# Altium PCB LightLink_V2_NOT_USED.PcbDoc (part 1 of 3) (continued)
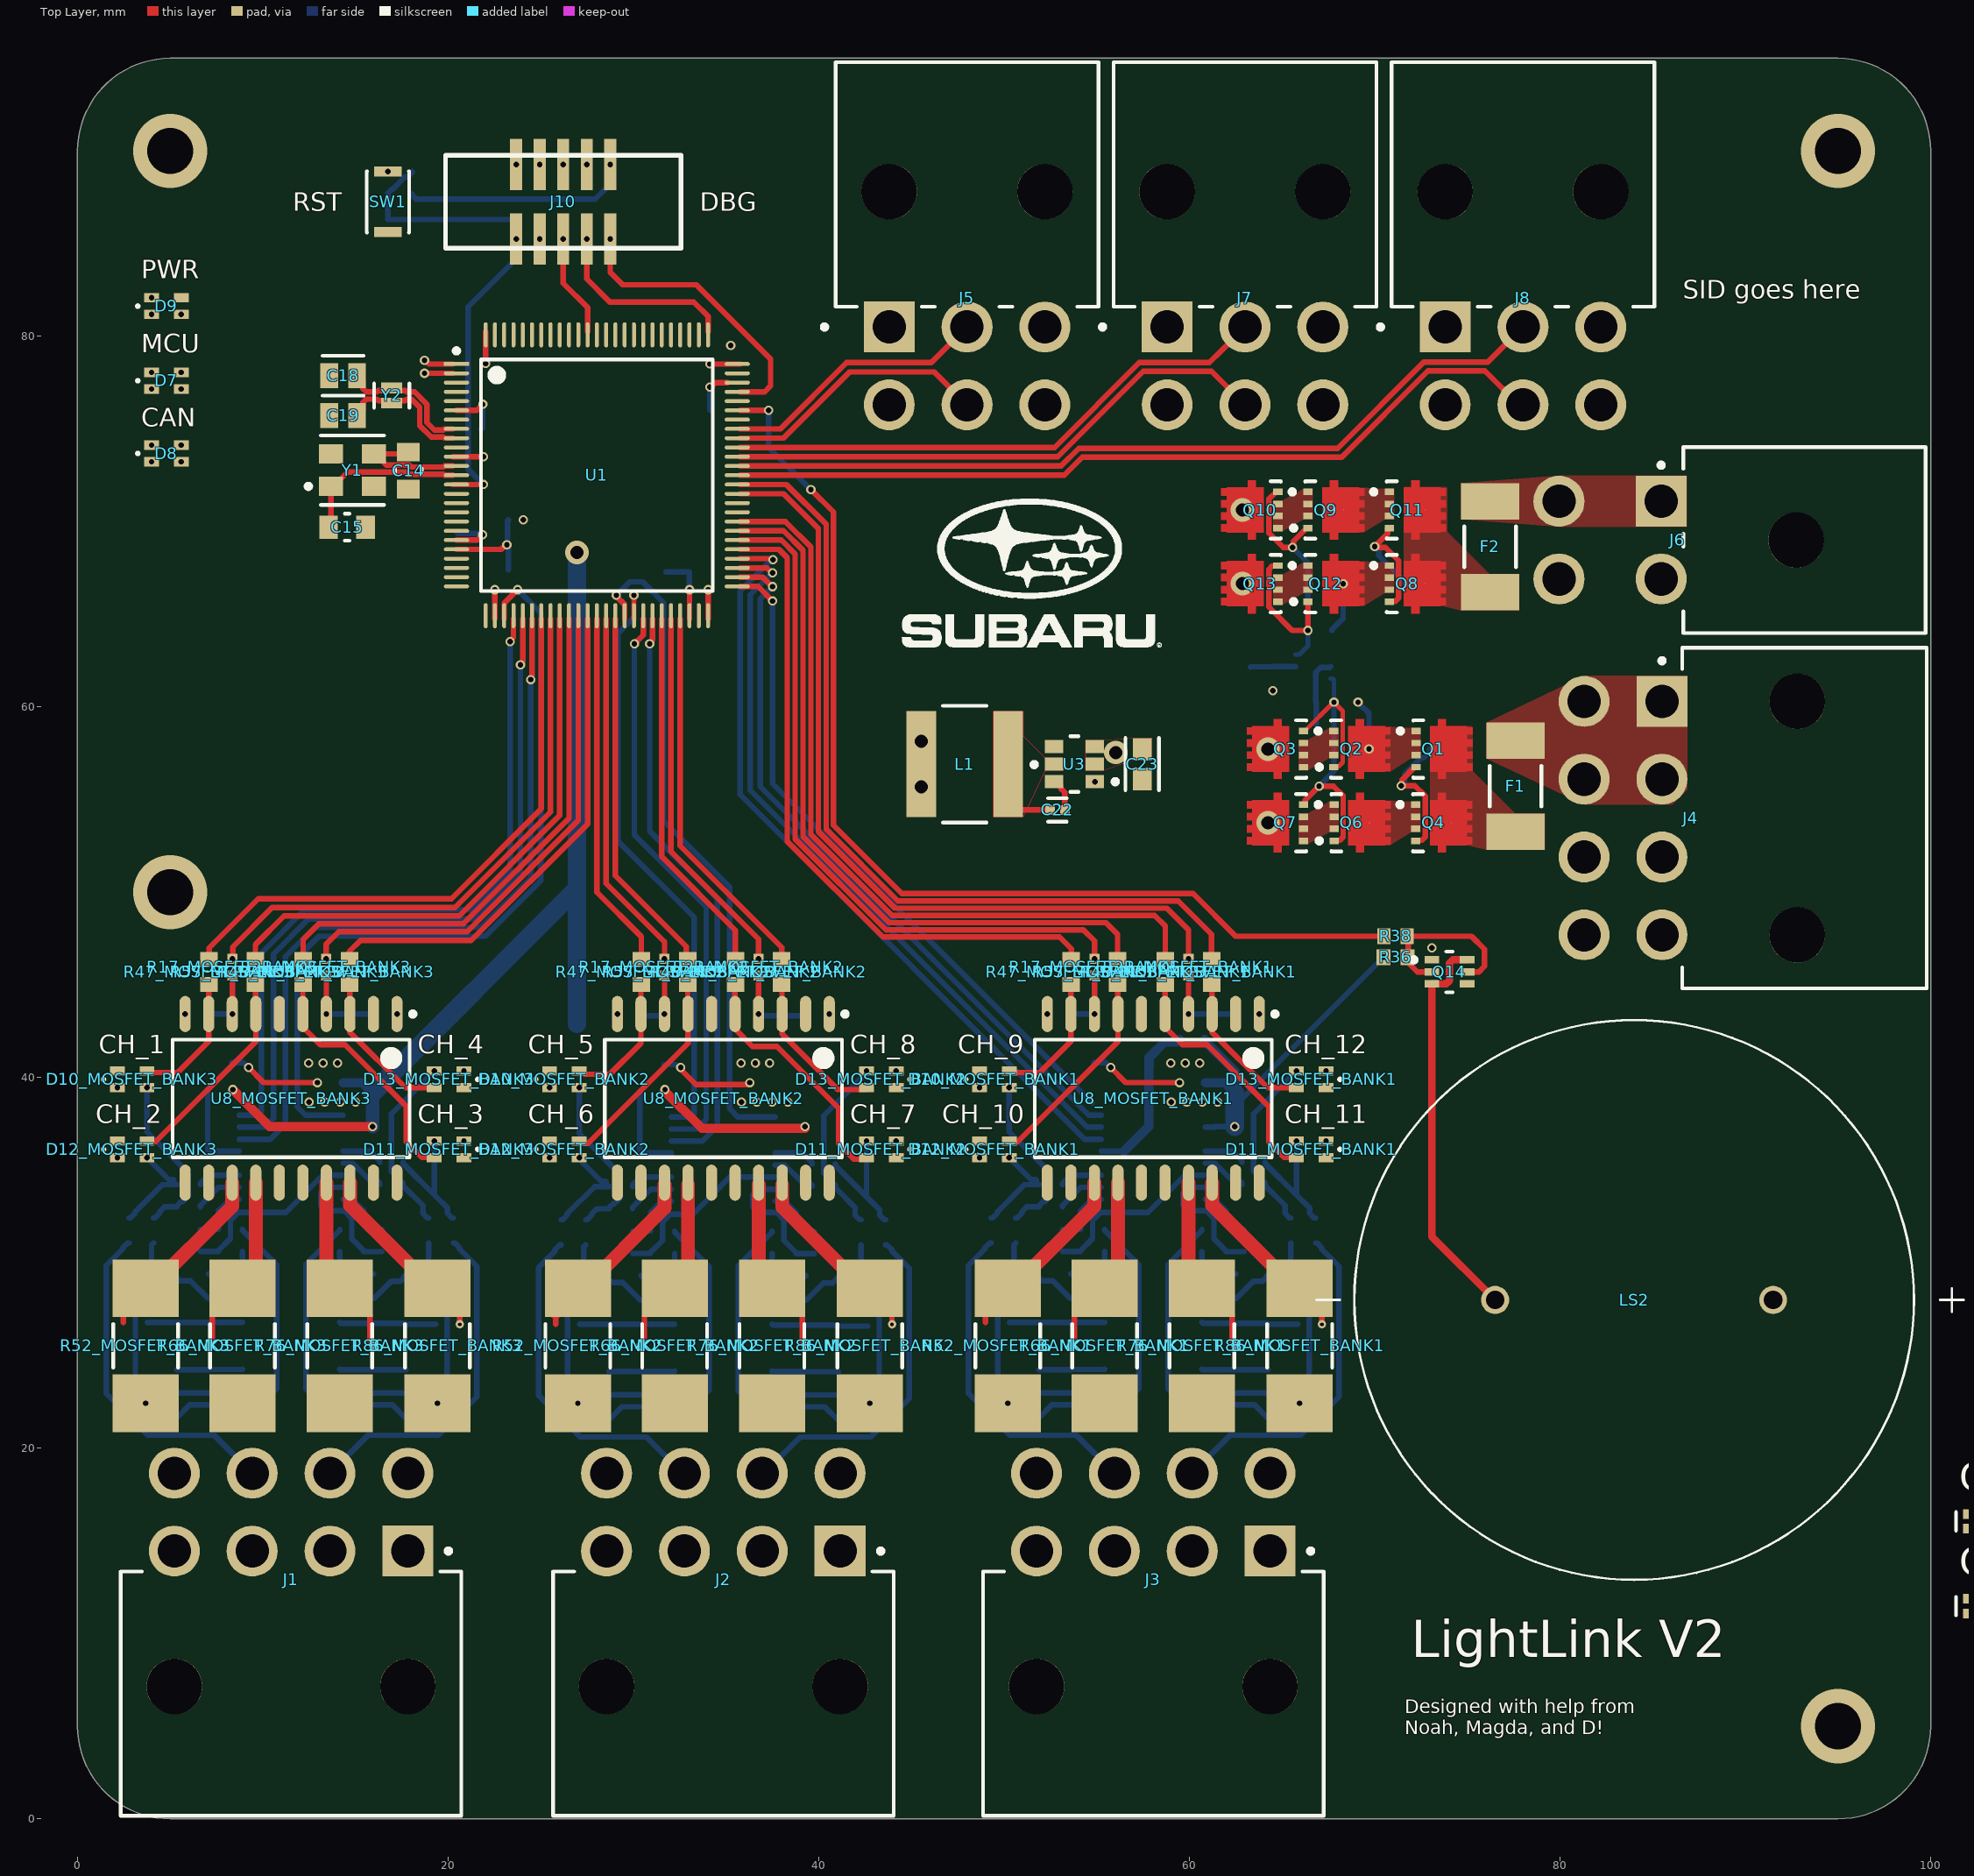
[diagram p0: Top Layer view]
## Components (designator, comment, footprint, x,y, rotation, side; value= is the part's Value field where it differs from the comment) (continued)
R18_MOSFET_BANK3 "0603 JUMPER" RESC1609X55X30ML15T15 8.35,45.55 r90 bottom (schematic designator R18)
R19 "ERJ-3EKF3300V" RESC1608X55X30LL15T15#2 113.146,149.625 r90 bottom
R20 "ERJ3EKF1002V" RESC1609X55X30LL15T15 113.796,154.226 r0 bottom
R21_MOSFET_BANK1 "0402 JUMPER 0 OHM" RESC1005X40X25NL05T05 59.95,45.95 r90 top (schematic designator R21)
R21_MOSFET_BANK2 "0402 JUMPER 0 OHM" RESC1005X40X25NL05T05 36.75,45.95 r90 top (schematic designator R21)
R21_MOSFET_BANK3 "0402 JUMPER 0 OHM" RESC1005X40X25NL05T05 13.425,45.95 r90 top (schematic designator R21)
R22_MOSFET_BANK1 "0603 JUMPER" RESC1609X55X30ML15T15 59.95,45.55 r90 bottom (schematic designator R22)
R22_MOSFET_BANK2 "0603 JUMPER" RESC1609X55X30ML15T15 36.75,45.55 r90 bottom (schematic designator R22)
R22_MOSFET_BANK3 "0603 JUMPER" RESC1609X55X30ML15T15 13.425,45.55 r90 bottom (schematic designator R22)
R23_MOSFET_BANK1 "ERJ3EKF56R0V" RESC1608X55X30NL15T15 60.15,42.05 r180 bottom (schematic designator R23)
R23_MOSFET_BANK2 "ERJ3EKF56R0V" RESC1608X55X30NL15T15 31.025,39.35 r180 bottom (schematic designator R23)
R23_MOSFET_BANK3 "ERJ3EKF56R0V" RESC1608X55X30NL15T15 7.7,39.35 r180 bottom (schematic designator R23)
R24 "0402 JUMPER 0 OHM" RESC1005X40X25NL05T05 120.111,151.826 r0 bottom
R25 "0402 JUMPER 0 OHM" RESC1005X40X25NL05T05 119.496,153.601 r90 bottom
R26 "0402 JUMPER 0 OHM" RESC1005X40X25NL05T05 115.686,149.625 r270 bottom
R27 "ERJ3EKF1002V" RESC1609X55X30LL15T15 13.75,101.325 r90 bottom
R28 "0402 JUMPER 0 OHM" RESC1005X40X25NL05T05 14.95,101.325 r90 bottom
R29 "ERJ3EKF1002V" RESC1609X55X30LL15T15 123.61,150.725 r0 bottom
R30 "ERJ-3EKF60R4V" FP-ERJ3EK-IPC_C 116.41,151.201 r90 bottom
R31 "ERJ-3EKF1001V" RESC1608X55X30LL15T15#1 114.821,153.977 r180 bottom
R32 "ERJ-3EKF60R4V" FP-ERJ3EK-IPC_C 111,152.25 r0 bottom
R33 "ERJ3EKF56R0V" RESC1608X55X30NL15T15 107.1,151.05 r180 bottom
R34 "ERJ3EKF56R0V" RESC1608X55X30NL15T15 108.7,152.1 r0 bottom
R35 "ERJ3EKF56R0V" RESC1608X55X30NL15T15 111,151.05 r180 bottom
R36 "ERJ3EKF1002V" RESC1609X55X30LL15T15 71.125,46.5 r180 top
R37 "ERJ3EKF1002V" RESC1609X55X30LL15T15 3.325,76.925 r180 bottom
R38 "ERJ-3EKF1001V" RESC1608X55X30LL15T15#1 71.125,47.625 r0 top
R39 "ERJ3EKF56R0V" RESC1608X55X30NL15T15 3.325,73 r180 bottom
R40 "ERJ3EKF56R0V" RESC1608X55X30NL15T15 3.325,78.25 r180 bottom
R41_MOSFET_BANK1 "ERT-J1VR103J" RESC1608X90X30ML15T20 60.175,39.725 r0 bottom (schematic designator R41)
R41_MOSFET_BANK2 "ERT-J1VR103J" RESC1608X90X30ML15T20 36.975,39.725 r0 bottom (schematic designator R41)
R41_MOSFET_BANK3 "ERT-J1VR103J" RESC1608X90X30ML15T20 13.65,39.725 r0 bottom (schematic designator R41)
R42 "ERJ-3EKF3300V" RESC1608X55X30LL15T15#2 17.4,88.88 r180 bottom
R43 "ERJ-3EKF1200V" RESC1609X55X30ML15T15 17.75,102.15 r270 top
R44 "ERJ-3EKF3300V" RESC1608X55X30LL15T15#2 3.35,81.025 r180 bottom
R45 "ERJ3EKF1002V" RESC1609X55X30LL15T15 17.4,87.675 r180 bottom
R46_MOSFET_BANK1 "ERJ-3EKF1001V" RESC1608X55X30LL15T15#1 54.225,40.8 r0 bottom (schematic designator R46)
R46_MOSFET_BANK2 "ERJ-3EKF1001V" RESC1608X55X30LL15T15#1 31.025,40.8 r0 bottom (schematic designator R46)
R46_MOSFET_BANK3 "ERJ-3EKF1001V" RESC1608X55X30LL15T15#1 7.7,40.8 r0 bottom (schematic designator R46)
R47_MOSFET_BANK1 "ERJ3EKF56R0V" RESC1608X55X30NL15T15 53.625,45.7 r90 top (schematic designator R47)
R47_MOSFET_BANK2 "ERJ3EKF56R0V" RESC1608X55X30NL15T15 30.425,45.7 r90 top (schematic designator R47)
R47_MOSFET_BANK3 "ERJ3EKF56R0V" RESC1608X55X30NL15T15 7.1,45.7 r90 top (schematic designator R47)
R48_MOSFET_BANK1 "ERJ3EKF56R0V" RESC1608X55X30NL15T15 58.7,45.7 r90 top (schematic designator R48)
R48_MOSFET_BANK2 "ERJ3EKF56R0V" RESC1608X55X30NL15T15 35.5,45.7 r90 top (schematic designator R48)
R48_MOSFET_BANK3 "ERJ3EKF56R0V" RESC1608X55X30NL15T15 12.175,45.7 r90 top (schematic designator R48)
R49_MOSFET_BANK1 "ERJ-3EKF1004V" FP-ERJ3EK-IPC_C 53.6,28.76 r270 bottom (schematic designator R49)
R49_MOSFET_BANK2 "ERJ-3EKF1004V" FP-ERJ3EK-IPC_C 30.4,28.76 r270 bottom (schematic designator R49)
R49_MOSFET_BANK3 "ERJ-3EKF1004V" FP-ERJ3EK-IPC_C 7.075,28.76 r270 bottom (schematic designator R49)
R50 "ERJ3EKF1002V" RESC1609X55X30LL15T15 125.207,11.202 r90 top
R51 "ERJ3EKF1002V" RESC1609X55X30LL15T15 113.607,11.202 r90 top
R52_MOSFET_BANK1 "MCS3264R010FER" FP-MCS3264-MFG 50.2,25.525 r270 top (schematic designator R52)
R52_MOSFET_BANK2 "MCS3264R010FER" FP-MCS3264-MFG 27,25.525 r270 top (schematic designator R52)
R52_MOSFET_BANK3 "MCS3264R010FER" FP-MCS3264-MFG 3.675,25.525 r270 top (schematic designator R52)
R53_MOSFET_BANK1 "ERJ3EKF1002V" RESC1609X55X30LL15T15 51.175,29.31 r180 bottom (schematic designator R53)
R53_MOSFET_BANK2 "ERJ3EKF1002V" RESC1609X55X30LL15T15 27.975,29.31 r180 bottom (schematic designator R53)
R53_MOSFET_BANK3 "ERJ3EKF1002V" RESC1609X55X30LL15T15 4.65,29.31 r180 bottom (schematic designator R53)
R54_MOSFET_BANK1 "ERJ3EKF5100V" RESC1608X55X30NL15T15 50.625,31.75 r270 bottom (schematic designator R54)
R54_MOSFET_BANK2 "ERJ3EKF5100V" RESC1608X55X30NL15T15 27.425,31.75 r270 bottom (schematic designator R54)
R54_MOSFET_BANK3 "ERJ3EKF5100V" RESC1608X55X30NL15T15 4.1,31.75 r270 bottom (schematic designator R54)
R55_MOSFET_BANK1 "ERJ3EKF1002V" RESC1609X55X30LL15T15 54.775,30.61 r0 bottom (schematic designator R55)
R55_MOSFET_BANK2 "ERJ3EKF1002V" RESC1609X55X30LL15T15 31.575,30.61 r0 bottom (schematic designator R55)
R55_MOSFET_BANK3 "ERJ3EKF1002V" RESC1609X55X30LL15T15 8.25,30.61 r0 bottom (schematic designator R55)
R56_MOSFET_BANK1 "ERJ3EKF1002V" RESC1609X55X30LL15T15 49.65,26.785 r180 bottom (schematic designator R56)
R56_MOSFET_BANK2 "ERJ3EKF1002V" RESC1609X55X30LL15T15 26.45,26.785 r180 bottom (schematic designator R56)
R56_MOSFET_BANK3 "ERJ3EKF1002V" RESC1609X55X30LL15T15 3.125,26.785 r180 bottom (schematic designator R56)
R57_MOSFET_BANK1 "ERJ3EKF56R0V" RESC1608X55X30NL15T15 56.125,45.7 r90 top (schematic designator R57)
R57_MOSFET_BANK2 "ERJ3EKF56R0V" RESC1608X55X30NL15T15 32.925,45.7 r90 top (schematic designator R57)
R57_MOSFET_BANK3 "ERJ3EKF56R0V" RESC1608X55X30NL15T15 9.6,45.7 r90 top (schematic designator R57)
R58_MOSFET_BANK1 "ERJ3EKF56R0V" RESC1608X55X30NL15T15 61.2,45.7 r90 top (schematic designator R58)
R58_MOSFET_BANK2 "ERJ3EKF56R0V" RESC1608X55X30NL15T15 38,45.7 r90 top (schematic designator R58)
R58_MOSFET_BANK3 "ERJ3EKF56R0V" RESC1608X55X30NL15T15 14.675,45.7 r90 top (schematic designator R58)
R59_MOSFET_BANK1 "ERJ-3EKF1004V" FP-ERJ3EK-IPC_C 51.85,27.435 r270 bottom (schematic designator R59)
R59_MOSFET_BANK2 "ERJ-3EKF1004V" FP-ERJ3EK-IPC_C 28.65,27.435 r270 bottom (schematic designator R59)
R59_MOSFET_BANK3 "ERJ-3EKF1004V" FP-ERJ3EK-IPC_C 5.325,27.435 r270 bottom (schematic designator R59)
R60_MOSFET_BANK1 "ERJ3EKF2701V" RESC1608X55X30LL15T15#1 52.525,30.61 r0 bottom (schematic designator R60)
R60_MOSFET_BANK2 "ERJ3EKF2701V" RESC1608X55X30LL15T15#1 29.325,30.61 r0 bottom (schematic designator R60)
R60_MOSFET_BANK3 "ERJ3EKF2701V" RESC1608X55X30LL15T15#1 6,30.61 r0 bottom (schematic designator R60)
R64_MOSFET_BANK1 "ERJ-3EKF1004V" FP-ERJ3EK-IPC_C 51.875,22.335 r90 bottom (schematic designator R64)
R64_MOSFET_BANK2 "ERJ-3EKF1004V" FP-ERJ3EK-IPC_C 28.675,22.335 r90 bottom (schematic designator R64)
R64_MOSFET_BANK3 "ERJ-3EKF1004V" FP-ERJ3EK-IPC_C 5.35,22.335 r90 bottom (schematic designator R64)
R66_MOSFET_BANK1 "MCS3264R010FER" FP-MCS3264-MFG 55.425,25.525 r270 top (schematic designator R66)
R66_MOSFET_BANK2 "MCS3264R010FER" FP-MCS3264-MFG 32.225,25.525 r270 top (schematic designator R66)
R66_MOSFET_BANK3 "MCS3264R010FER" FP-MCS3264-MFG 8.9,25.525 r270 top (schematic designator R66)
R67_MOSFET_BANK1 "ERJ3EKF1002V" RESC1609X55X30LL15T15 53.6,22.335 r270 bottom (schematic designator R67)
R67_MOSFET_BANK2 "ERJ3EKF1002V" RESC1609X55X30LL15T15 30.4,22.335 r270 bottom (schematic designator R67)
R67_MOSFET_BANK3 "ERJ3EKF1002V" RESC1609X55X30LL15T15 7.075,22.335 r270 bottom (schematic designator R67)
R68_MOSFET_BANK1 "ERJ3EKF5100V" RESC1608X55X30NL15T15 49.3,31.75 r270 bottom (schematic designator R68)
R68_MOSFET_BANK2 "ERJ3EKF5100V" RESC1608X55X30NL15T15 26.1,31.75 r270 bottom (schematic designator R68)
R68_MOSFET_BANK3 "ERJ3EKF5100V" RESC1608X55X30NL15T15 2.775,31.75 r270 bottom (schematic designator R68)
R69_MOSFET_BANK1 "ERJ3EKF1002V" RESC1609X55X30LL15T15 54.775,31.81 r0 bottom (schematic designator R69)
R69_MOSFET_BANK2 "ERJ3EKF1002V" RESC1609X55X30LL15T15 31.575,31.81 r0 bottom (schematic designator R69)
R69_MOSFET_BANK3 "ERJ3EKF1002V" RESC1609X55X30LL15T15 8.25,31.81 r0 bottom (schematic designator R69)
R70_MOSFET_BANK1 "ERJ3EKF1002V" RESC1609X55X30LL15T15 53.6,24.885 r90 bottom (schematic designator R70)
R70_MOSFET_BANK2 "ERJ3EKF1002V" RESC1609X55X30LL15T15 30.4,24.885 r90 bottom (schematic designator R70)
R70_MOSFET_BANK3 "ERJ3EKF1002V" RESC1609X55X30LL15T15 7.075,24.885 r90 bottom (schematic designator R70)
R71_MOSFET_BANK1 "ERJ-3EKF1004V" FP-ERJ3EK-IPC_C 51.875,24.885 r270 bottom (schematic designator R71)
R71_MOSFET_BANK2 "ERJ-3EKF1004V" FP-ERJ3EK-IPC_C 28.675,24.885 r270 bottom (schematic designator R71)
R71_MOSFET_BANK3 "ERJ-3EKF1004V" FP-ERJ3EK-IPC_C 5.35,24.885 r270 bottom (schematic designator R71)
R72_MOSFET_BANK1 "ERJ3EKF2701V" RESC1608X55X30LL15T15#1 52.525,31.81 r0 bottom (schematic designator R72)
R72_MOSFET_BANK2 "ERJ3EKF2701V" RESC1608X55X30LL15T15#1 29.325,31.81 r0 bottom (schematic designator R72)
R72_MOSFET_BANK3 "ERJ3EKF2701V" RESC1608X55X30LL15T15#1 6,31.81 r0 bottom (schematic designator R72)
R74_MOSFET_BANK1 "ERJ-3EKF1004V" FP-ERJ3EK-IPC_C 64.25,22.31 r90 bottom (schematic designator R74)
R74_MOSFET_BANK2 "ERJ-3EKF1004V" FP-ERJ3EK-IPC_C 41.05,22.31 r90 bottom (schematic designator R74)
R74_MOSFET_BANK3 "ERJ-3EKF1004V" FP-ERJ3EK-IPC_C 17.725,22.31 r90 bottom (schematic designator R74)
R76_MOSFET_BANK1 "MCS3264R010FER" FP-MCS3264-MFG 60.675,25.525 r270 top (schematic designator R76)
R76_MOSFET_BANK2 "MCS3264R010FER" FP-MCS3264-MFG 37.475,25.525 r270 top (schematic designator R76)
R76_MOSFET_BANK3 "MCS3264R010FER" FP-MCS3264-MFG 14.15,25.525 r270 top (schematic designator R76)
R77_MOSFET_BANK1 "ERJ3EKF1002V" RESC1609X55X30LL15T15 62.5,22.335 r270 bottom (schematic designator R77)
R77_MOSFET_BANK2 "ERJ3EKF1002V" RESC1609X55X30LL15T15 39.3,22.335 r270 bottom (schematic designator R77)
R77_MOSFET_BANK3 "ERJ3EKF1002V" RESC1609X55X30LL15T15 15.975,22.335 r270 bottom (schematic designator R77)
R78_MOSFET_BANK1 "ERJ3EKF5100V" RESC1608X55X30NL15T15 66.809,31.75 r270 bottom (schematic designator R78)
R78_MOSFET_BANK2 "ERJ3EKF5100V" RESC1608X55X30NL15T15 43.609,31.75 r270 bottom (schematic designator R78)
R78_MOSFET_BANK3 "ERJ3EKF5100V" RESC1608X55X30NL15T15 20.284,31.75 r270 bottom (schematic designator R78)
R79_MOSFET_BANK1 "ERJ3EKF1002V" RESC1609X55X30LL15T15 61.325,31.8 r180 bottom (schematic designator R79)
R79_MOSFET_BANK2 "ERJ3EKF1002V" RESC1609X55X30LL15T15 38.125,31.8 r180 bottom (schematic designator R79)
R79_MOSFET_BANK3 "ERJ3EKF1002V" RESC1609X55X30LL15T15 14.8,31.8 r180 bottom (schematic designator R79)
R80_MOSFET_BANK1 "ERJ3EKF1002V" RESC1609X55X30LL15T15 62.5,24.875 r90 bottom (schematic designator R80)
R80_MOSFET_BANK2 "ERJ3EKF1002V" RESC1609X55X30LL15T15 39.3,24.875 r90 bottom (schematic designator R80)
R80_MOSFET_BANK3 "ERJ3EKF1002V" RESC1609X55X30LL15T15 15.975,24.875 r90 bottom (schematic designator R80)
R81_MOSFET_BANK1 "ERJ-3EKF1004V" FP-ERJ3EK-IPC_C 64.25,24.874 r270 bottom (schematic designator R81)
R81_MOSFET_BANK2 "ERJ-3EKF1004V" FP-ERJ3EK-IPC_C 41.05,24.874 r270 bottom (schematic designator R81)
R81_MOSFET_BANK3 "ERJ-3EKF1004V" FP-ERJ3EK-IPC_C 17.725,24.874 r270 bottom (schematic designator R81)
R82_MOSFET_BANK1 "ERJ3EKF2701V" RESC1608X55X30LL15T15#1 63.575,31.8 r180 bottom (schematic designator R82)
R82_MOSFET_BANK2 "ERJ3EKF2701V" RESC1608X55X30LL15T15#1 40.375,31.8 r180 bottom (schematic designator R82)
R82_MOSFET_BANK3 "ERJ3EKF2701V" RESC1608X55X30LL15T15#1 17.05,31.8 r180 bottom (schematic designator R82)
R83_MOSFET_BANK1 "ERJ-3EKF1004V" FP-ERJ3EK-IPC_C 62.5,28.76 r270 bottom (schematic designator R83)
R83_MOSFET_BANK2 "ERJ-3EKF1004V" FP-ERJ3EK-IPC_C 39.3,28.76 r270 bottom (schematic designator R83)
R83_MOSFET_BANK3 "ERJ-3EKF1004V" FP-ERJ3EK-IPC_C 15.975,28.76 r270 bottom (schematic designator R83)
R84_MOSFET_BANK1 "ERJ3EKF1002V" RESC1609X55X30LL15T15 52.985,43.425 r180 bottom (schematic designator R84)
R84_MOSFET_BANK2 "ERJ3EKF1002V" RESC1609X55X30LL15T15 29.785,43.425 r180 bottom (schematic designator R84)
R84_MOSFET_BANK3 "ERJ3EKF1002V" RESC1609X55X30LL15T15 6.46,43.425 r180 bottom (schematic designator R84)
R85_MOSFET_BANK1 "ERJ3EKF1002V" RESC1609X55X30LL15T15 63.115,43.425 r0 bottom (schematic designator R85)
R85_MOSFET_BANK2 "ERJ3EKF1002V" RESC1609X55X30LL15T15 39.915,43.425 r0 bottom (schematic designator R85)
R85_MOSFET_BANK3 "ERJ3EKF1002V" RESC1609X55X30LL15T15 16.59,43.425 r0 bottom (schematic designator R85)
R86_MOSFET_BANK1 "MCS3264R010FER" FP-MCS3264-MFG 65.95,25.525 r270 top (schematic designator R86)
R86_MOSFET_BANK2 "MCS3264R010FER" FP-MCS3264-MFG 42.75,25.525 r270 top (schematic designator R86)
R86_MOSFET_BANK3 "MCS3264R010FER" FP-MCS3264-MFG 19.425,25.525 r270 top (schematic designator R86)
R87_MOSFET_BANK1 "ERJ3EKF1002V" RESC1609X55X30LL15T15 64.825,29.285 r0 bottom (schematic designator R87)
R87_MOSFET_BANK2 "ERJ3EKF1002V" RESC1609X55X30LL15T15 41.625,29.285 r0 bottom (schematic designator R87)
R87_MOSFET_BANK3 "ERJ3EKF1002V" RESC1609X55X30LL15T15 18.3,29.285 r0 bottom (schematic designator R87)
R88_MOSFET_BANK1 "ERJ3EKF5100V" RESC1608X55X30NL15T15 65.484,31.75 r270 bottom (schematic designator R88)
R88_MOSFET_BANK2 "ERJ3EKF5100V" RESC1608X55X30NL15T15 42.284,31.75 r270 bottom (schematic designator R88)
R88_MOSFET_BANK3 "ERJ3EKF5100V" RESC1608X55X30NL15T15 18.959,31.75 r270 bottom (schematic designator R88)
R89_MOSFET_BANK1 "ERJ3EKF1002V" RESC1609X55X30LL15T15 61.325,30.6 r180 bottom (schematic designator R89)
R89_MOSFET_BANK2 "ERJ3EKF1002V" RESC1609X55X30LL15T15 38.125,30.6 r180 bottom (schematic designator R89)
R89_MOSFET_BANK3 "ERJ3EKF1002V" RESC1609X55X30LL15T15 14.8,30.6 r180 bottom (schematic designator R89)
R90_MOSFET_BANK1 "ERJ3EKF1002V" RESC1609X55X30LL15T15 66.5,26.685 r0 bottom (schematic designator R90)
R90_MOSFET_BANK2 "ERJ3EKF1002V" RESC1609X55X30LL15T15 43.3,26.685 r0 bottom (schematic designator R90)
R90_MOSFET_BANK3 "ERJ3EKF1002V" RESC1609X55X30LL15T15 19.975,26.685 r0 bottom (schematic designator R90)
R91_MOSFET_BANK1 "ERJ-3EKF1004V" FP-ERJ3EK-IPC_C 64.25,27.335 r270 bottom (schematic designator R91)
R91_MOSFET_BANK2 "ERJ-3EKF1004V" FP-ERJ3EK-IPC_C 41.05,27.335 r270 bottom (schematic designator R91)
R91_MOSFET_BANK3 "ERJ-3EKF1004V" FP-ERJ3EK-IPC_C 17.725,27.335 r270 bottom (schematic designator R91)
R92_MOSFET_BANK1 "ERJ3EKF2701V" RESC1608X55X30LL15T15#1 63.575,30.6 r180 bottom (schematic designator R92)
R92_MOSFET_BANK2 "ERJ3EKF2701V" RESC1608X55X30LL15T15#1 40.375,30.6 r180 bottom (schematic designator R92)
R92_MOSFET_BANK3 "ERJ3EKF2701V" RESC1608X55X30LL15T15#1 17.05,30.6 r180 bottom (schematic designator R92)
R93_MOSFET_BANK1 "ERJ-3EKF1000V" RESC1608X55X30LL15T15#1 48.675,38.825 r270 bottom (schematic designator R93)
R93_MOSFET_BANK2 "ERJ-3EKF1000V" RESC1608X55X30LL15T15#1 25.475,38.825 r270 bottom (schematic designator R93)
R93_MOSFET_BANK3 "ERJ-3EKF1000V" RESC1608X55X30LL15T15#1 2.15,38.825 r270 bottom (schematic designator R93)
R94_MOSFET_BANK1 "ERJ-3EKF1000V" RESC1608X55X30LL15T15#1 67.375,35.95 r270 bottom (schematic designator R94)
R94_MOSFET_BANK2 "ERJ-3EKF1000V" RESC1608X55X30LL15T15#1 44.175,35.95 r270 bottom (schematic designator R94)
R94_MOSFET_BANK3 "ERJ-3EKF1000V" RESC1608X55X30LL15T15#1 20.85,35.95 r270 bottom (schematic designator R94)
R97_MOSFET_BANK1 "ERJ-3EKF1001V" RESC1608X55X30LL15T15#1 63.465,35.433 r180 bottom (schematic designator R97)
R97_MOSFET_BANK2 "ERJ-3EKF1001V" RESC1608X55X30LL15T15#1 40.265,35.433 r180 bottom (schematic designator R97)
R97_MOSFET_BANK3 "ERJ-3EKF1001V" RESC1608X55X30LL15T15#1 16.94,35.433 r180 bottom (schematic designator R97)
R98_MOSFET_BANK1 "ERJ-3EKF1001V" RESC1608X55X30LL15T15#1 63.465,34.233 r180 bottom (schematic designator R98)
R98_MOSFET_BANK2 "ERJ-3EKF1001V" RESC1608X55X30LL15T15#1 40.265,34.233 r180 bottom (schematic designator R98)
R98_MOSFET_BANK3 "ERJ-3EKF1001V" RESC1608X55X30LL15T15#1 16.94,34.233 r180 bottom (schematic designator R98)
R99_MOSFET_BANK1 "ERJ-3EKF1000V" RESC1608X55X30LL15T15#1 48.675,35.05 r270 bottom (schematic designator R99)
R99_MOSFET_BANK2 "ERJ-3EKF1000V" RESC1608X55X30LL15T15#1 25.475,35.05 r270 bottom (schematic designator R99)
R99_MOSFET_BANK3 "ERJ-3EKF1000V" RESC1608X55X30LL15T15#1 2.15,35.05 r270 bottom (schematic designator R99)
R100_MOSFET_BANK1 "ERJ-3EKF1000V" RESC1608X55X30LL15T15#1 67.375,39.725 r270 bottom (schematic designator R100)
R100_MOSFET_BANK2 "ERJ-3EKF1000V" RESC1608X55X30LL15T15#1 44.175,39.725 r270 bottom (schematic designator R100)
R100_MOSFET_BANK3 "ERJ-3EKF1000V" RESC1608X55X30LL15T15#1 20.85,39.725 r270 bottom (schematic designator R100)
R101_MOSFET_BANK1 "ERJ-3EKF1001V" RESC1608X55X30LL15T15#1 52.525,33.02 r0 bottom (schematic designator R101)
R101_MOSFET_BANK2 "ERJ-3EKF1001V" RESC1608X55X30LL15T15#1 29.325,33.02 r0 bottom (schematic designator R101)
R101_MOSFET_BANK3 "ERJ-3EKF1001V" RESC1608X55X30LL15T15#1 6,33.02 r0 bottom (schematic designator R101)
R104_MOSFET_BANK1 "ERJ-3EKF1001V" RESC1608X55X30LL15T15#1 52.525,34.22 r0 bottom (schematic designator R104)
R104_MOSFET_BANK2 "ERJ-3EKF1001V" RESC1608X55X30LL15T15#1 29.325,34.22 r0 bottom (schematic designator R104)
R104_MOSFET_BANK3 "ERJ-3EKF1001V" RESC1608X55X30LL15T15#1 6,34.22 r0 bottom (schematic designator R104)
R105 "ERJ3EKF1002V" RESC1609X55X30LL15T15 79.75,125.75 r90 top
R106 "ERJ3EKF1002V" RESC1609X55X30LL15T15 77.7,126.225 r90 top
SW1 "KXT331LHS" FP-KXT331LHS-MFG 16.75,87.255 r270 top
SW2 "KXT331LHS" FP-KXT331LHS-MFG 109.232,15.602 r0 top
SW3 "KXT331LHS" FP-KXT331LHS-MFG 132.133,15.602 r0 top
U1 "STM32H730VBT6" FP-LQFP100-1L-IPC_C 28.025,72.5 r0 top
U2 "ADC088S022CIMT/NOPB" MTC16_L -8.575,58.3 r90 top
U3 "AP63203WU-7" FP-TSOT26-MFG 53.8,56.913 r180 top
U4 "TCAN1146DYYRQ1" TCAN1146DYYRQ1-Footprint-1 -22.188,87.025 r270 bottom
U5 "LM324D" D0014A_L -12.5,128.675 r180 top
U7_MOSFET_BANK1 "LM324D" D0014A_L 58.05,25.525 r180 bottom (schematic designator U7)
U7_MOSFET_BANK2 "LM324D" D0014A_L 34.85,25.525 r180 bottom (schematic designator U7)
U7_MOSFET_BANK3 "LM324D" D0014A_L 11.525,25.525 r180 bottom (schematic designator U7)
U8_MOSFET_BANK1 "ITS716G" INF-PG-DSO-20-32_L 58.05,38.875 r270 top (schematic designator U8)
U8_MOSFET_BANK2 "ITS716G" INF-PG-DSO-20-32_L 34.85,38.875 r270 top (schematic designator U8)
U8_MOSFET_BANK3 "ITS716G" INF-PG-DSO-20-32_L 11.525,38.875 r270 top (schematic designator U8)
U9_MOSFET_BANK1 "ADC088S022CIMT/NOPB" MTC16_L 58.05,35.7 r180 bottom (schematic designator U9)
U9_MOSFET_BANK2 "ADC088S022CIMT/NOPB" MTC16_L 34.85,35.7 r180 bottom (schematic designator U9)
U9_MOSFET_BANK3 "ADC088S022CIMT/NOPB" MTC16_L 11.525,35.7 r180 bottom (schematic designator U9)
U10 "AP7381-50Y-13" FP-SOT89-MFG 120.807,10.177 r0 top
Y1 "ABM8-48.000MHZ-B2-T" FP-ABM8-MFG 14.833,72.775 r0 top
Y2 "ECS-.327-12.5-1210-TR" FP-ECX-1210-MFG 16.958,76.8 r270 top

## Footprints (in the part's own frame and the unit in brackets; to place one, negate y for a bottom-side part, rotate by r counter-clockwise, add the part's x,y. Pads: shape width x height; smd on the part's side, far side on the other; paste and mask are expansions set on the pad)
3220-10-0300-00-Footprint-1 [mm]
  rect 0.65x2.77 all layers, no hole: 1(0,-4.03) 2(0,0) 3(1.27,-4.03) 4(1.27,0) 5(2.54,-4.03) 6(2.54,0) 7(3.81,-4.03) 8(3.81,0) 9(5.08,-4.03) 10(5.08,0)
  silkscreen extent -3.81,-4.51 8.89,0.48
AI-3035-TT-12V-R-Footprint-1 [mm]
  round 1.508 hole 1: N(7.5,0) P(-7.5,0)
  silkscreen extent -17.78,-15.1 17.14,15.1, body extent -15.1,-15.1 15.1,15.1, height 2.15
CAPC2013X145X50ML20T25 [mm] "Chip Capacitor, 2-Leads, Body 2.00x1.25mm, IPC Low Density"
  rect 1.5x1.55 smd: 1(-0.9,0) 2(0.9,0)
  body extent -1.1,-0.72 1.1,0.72, height 1.45
D0014A_L [mm] "SOIC, 14-Leads, Body 8.75x4mm, Pitch 1.27mm, IPC High Density"
  rrect18% 1.25x0.55 smd: 1(-2.625,3.81) 2(-2.625,2.54) 3(-2.625,1.27) 4(-2.625,0) 5(-2.625,-1.27) 6(-2.625,-2.54) 7(-2.625,-3.81) 8(2.625,-3.81) 9(2.625,-2.54) 10(2.625,-1.27) 11(2.625,0) 12(2.625,1.27) 13(2.625,2.54) 14(2.625,3.81)
  silkscreen extent -2.75,-4.38 1.6,4.76, body extent -3.02,-4.32 3.02,4.32, height 1.59
FP-39-30-1041-MFG [mil]
  rect 108.4x108.4 hole 71 paste-99999 mask+0: 1(82.5,297)
  round 108.4 hole 71 paste-99999 mask+0: 2(-82.5,297) 3(82.5,514) 4(-82.5,514)
  round 118 hole 118 unplated paste-99999 mask+0: ""(0,10)
  silkscreen extent -197,-265 198,302, body extent -201,-269 201,572, height 10
FP-0402-L_1_0_0_05-W_0_5-IPC_A [mm]
  rect 0.715x0.672 smd paste+0 mask+0: 1(-0.479,0) 2(0.479,0)
  silkscreen extent -0.84,-0.74 0.84,0.74, body extent -0.5,-0.25 0.5,0.25, height 0.55
FP-0679L-MFG [mm]
  rect 1.96x3.15 smd paste+0 mask+0: 1(-2.455,0) 2(2.455,0)
  silkscreen extent -1.1,-1.4 1.1,1.4, body extent -3.53,-1.68 3.53,1.68, height 0.25
FP-0805-L_2_01_0_2-W_1_25-MFG [mm]
  rect 1x1.25 smd paste+0 mask+0: 1(-1,0) 2(1,0)
  silkscreen extent -0.13,-0.73 0.12,0.73, body extent -1.6,-0.82 1.6,0.82, height 0.25
FP-45586-0005-MFG [mm]
  rect 2.75x2.75 hole 1.8 paste-2539.97 mask+0: 1(-6.3,-7.5)
  round 2.75 hole 1.8 paste-2539.97 mask+0: 2(-2.1,-7.5) 3(2.1,-7.5) 4(6.3,-7.5) 5(-6.3,-11.7) 6(-2.1,-11.7) 7(2.1,-11.7) 8(6.3,-11.7)
  round 3 hole 3 unplated paste-2539.97 mask+0: ""(-6.3,-0.2) ""(6.3,-0.2)
  silkscreen extent -9.19,-7.62 9.19,6.78, body extent -9.29,-13.18 9.29,6.88, height 0.25
FP-455580003-MFG [mm]
  rect 2.75x2.75 hole 1.8 paste-2539.97 mask+0: 1(-4.2,-7.5)
  round 2.75 hole 1.8 paste-2539.97 mask+0: 2(0,-7.5) 3(4.2,-7.5) 4(-4.2,-11.7) 5(0,-11.7) 6(4.2,-11.7)
  round 3 hole 3 unplated paste-2539.97 mask+0: ""(-4.2,-0.2) ""(4.2,-0.2)
  silkscreen extent -7.81,-7.62 7.09,6.78, body extent -7.19,-13.18 7.19,6.88, height 0.25
FP-ABM8-MFG [mm]
  rect 1.3x1.05 smd paste+0 mask+0: 1(-1.15,-0.875) 2(1.15,-0.875) 3(1.15,0.875) 4(-1.15,0.875)
  silkscreen extent -2.5,-1.87 1.7,1.87, body extent -1.9,-1.5 1.9,1.5, height 0.25
FP-BLM15-0_05-MFG [mm]
  rect 0.4x0.5 smd paste+0 mask+0: 1(-0.4,0) 2(0.4,0)
  silkscreen extent -0.53,-0.63 0.52,0.63, body extent -0.5,-0.25 0.5,0.25, height 0.55
FP-C0402-BB-MFG [mm]
  rect 0.52x0.52 smd paste+0 mask+0: 1(-0.4,0) 2(0.4,0)
  silkscreen extent -0.5,-0.64 0.5,0.64, body extent -0.5,-0.25 0.5,0.25, height 0.55
FP-C0805C-DN-MFG [mm]
  rect 0.95x1.35 smd paste+0 mask+0: 1(-0.75,0) 2(0.75,0)
  silkscreen extent -1.1,-1.07 1.1,1.07, body extent -1.4,-0.85 1.4,0.85, height 0.25
FP-C1005-050-0_15-0_1-MFG [mm]
  rect 0.4x0.5 smd paste+0 mask+0: 1(-0.4,0) 2(0.4,0)
  silkscreen extent -0.58,-0.63 0.58,0.63, body extent -0.5,-0.25 0.5,0.25, height 0.65
FP-C1005-050-0_15-MFG [mm]
  rect 0.4x0.5 smd paste+0 mask+0: 1(-0.4,0) 2(0.4,0)
  silkscreen extent -0.5,-0.72 0.5,0.72, body extent -0.5,-0.25 0.5,0.25, height 0.55
FP-DG6045C-MFG [mm]
  rect 1.6x5.7 smd paste+0 mask+0: 1(-2.35,0) 2(2.35,0)
  silkscreen extent -3.88,-3.15 1.17,3.15, body extent -3.25,-3.25 3.25,3.25, height 0.25
FP-ECX-1210-MFG [mm]
  rect 0.575x1.14 smd paste+0 mask+0: 1(-0.413,0) 2(0.412,0)
  silkscreen extent -0.65,-0.95 0.65,0.95, body extent -0.8,-0.67 0.8,0.67, height 0.25
FP-ERJ3EK-IPC_C [mm]
  rect 0.757x0.862 smd paste+0 mask+0: 1(-0.651,0) 2(0.651,0)
  silkscreen extent -1.03,-0.87 1.03,0.87, body extent -0.8,-0.4 0.8,0.4, height 0.55
FP-GRM15-MFG [mm]
  rect 0.4x0.5 smd paste+0 mask+0: 1(-0.4,0) 2(0.4,0)
  silkscreen extent -0.53,-0.63 0.53,0.63, body extent -0.3,-0.16 0.3,0.16, height 0.33
FP-GRM21B-0_2-e0_2_0_7-IPC_B [mm]
  rect 1.255x1.456 smd paste+0 mask+0: 1(-0.826,0) 2(0.826,0)
  silkscreen extent -1.45,-1.13 1.45,1.13, body extent -1,-0.63 1,0.63, height 1.45
FP-GRM188-0_1-e0_2_0_55-IPC_A [mm]
  rect 1.208x1.012 smd paste+0 mask+0: 1(-0.802,0) 2(0.802,0)
  silkscreen extent -1.41,-0.91 1.41,0.91, body extent -0.8,-0.4 0.8,0.4, height 0.9
FP-KXT331LHS-MFG [mm]
  rect 0.55x1.5 smd paste+0 mask+0: 1(-1.625,0) 2(1.625,0)
  silkscreen extent -1.65,-1.15 1.65,1.15, body extent -2,-1.25 2,1.25, height 0.25
FP-LQFP100-1L-IPC_C [mm]
  rect 1.355x0.212 smd paste+0 mask+0: 1(-7.575,6)
  rrect100% 1.355x0.212 smd paste+0 mask+0: 2(-7.575,5.5) 3(-7.575,5) 4(-7.575,4.5) 5(-7.575,4) 6(-7.575,3.5) 7(-7.575,3) 8(-7.575,2.5) 9(-7.575,2) 10(-7.575,1.5) 11(-7.575,1) 12(-7.575,0.5) 13(-7.575,0) 14(-7.575,-0.5) 15(-7.575,-1) 16(-7.575,-1.5) 17(-7.575,-2) 18(-7.575,-2.5) 19(-7.575,-3) 20(-7.575,-3.5) 21(-7.575,-4) 22(-7.575,-4.5) 23(-7.575,-5) 24(-7.575,-5.5) 25(-7.575,-6) 51(7.575,-6) 52(7.575,-5.5) 53(7.575,-5) 54(7.575,-4.5) 55(7.575,-4) 56(7.575,-3.5) 57(7.575,-3) 58(7.575,-2.5) 59(7.575,-2) 60(7.575,-1.5) 61(7.575,-1) 62(7.575,-0.5) 63(7.575,0) 64(7.575,0.5) 65(7.575,1) 66(7.575,1.5) 67(7.575,2) 68(7.575,2.5) 69(7.575,3) 70(7.575,3.5) 71(7.575,4) 72(7.575,4.5) 73(7.575,5) 74(7.575,5.5) 75(7.575,6)
  rrect100% 0.212x1.355 smd paste+0 mask+0: 26(-6,-7.575) 27(-5.5,-7.575) 28(-5,-7.575) 29(-4.5,-7.575) 30(-4,-7.575) 31(-3.5,-7.575) 32(-3,-7.575) 33(-2.5,-7.575) 34(-2,-7.575) 35(-1.5,-7.575) 36(-1,-7.575) 37(-0.5,-7.575) 38(0,-7.575) 39(0.5,-7.575) 40(1,-7.575) 41(1.5,-7.575) 42(2,-7.575) 43(2.5,-7.575) 44(3,-7.575) 45(3.5,-7.575) 46(4,-7.575) 47(4.5,-7.575) 48(5,-7.575) 49(5.5,-7.575) 50(6,-7.575) 76(6,7.575) 77(5.5,7.575) 78(5,7.575) 79(4.5,7.575) 80(4,7.575) 81(3.5,7.575) 82(3,7.575) 83(2.5,7.575) 84(2,7.575) 85(1.5,7.575) 86(1,7.575) 87(0.5,7.575) 88(0,7.575) 89(-0.5,7.575) 90(-1,7.575) 91(-1.5,7.575) 92(-2,7.575) 93(-2.5,7.575) 94(-3,7.575) 95(-3.5,7.575) 96(-4,7.575) 97(-4.5,7.575) 98(-5,7.575) 99(-5.5,7.575) 100(-6,7.575)
  silkscreen extent -7.7,-6.25 6.25,6.83, body extent -8.35,-8.35 8.35,8.35, height 0.25
FP-MCS3264-MFG [mm]
  rect 3.1x3.57 smd paste+0 mask+0: 1(-3.1,0) 2(3.1,0)
  silkscreen extent -1.18,-1.75 1.18,1.75, body extent -4.75,-1.89 4.75,1.89, height 0.25
FP-SOD-123-IPC_A [mm]
  rect 1.308x0.762 smd paste+0 mask+0: 1(-1.825,0)
  rrect100% 1.308x0.762 smd paste+0 mask+0: 2(1.825,0)
  silkscreen extent -2.39,-0.8 1.35,1.01, body extent -1.85,-0.8 1.85,0.8, height 1.35
FP-SOT89-MFG [mm]
  rect 0.58x1.73 smd paste+0 mask+0: 1(-1.5,-1.635) 3(1.5,-1.635)
  round 1.74 smd paste+0 mask+0: 2(0,0.146)
  Top Layer region: -0.38,-2.5 0.38,-2.5 0.38,-1 0.967,-1 0.967,2.03 -0.967,2.03 -0.967,-1 -0.38,-1 -0.38,-2.5
  silkscreen extent -2.3,-1.3 2.3,1.3, body extent -2.4,-2.6 2.4,2.13, height 0.25
FP-SOT323-3L-MFG [mm]
  rect 0.7x0.42 smd paste+0 mask+0: 1(-1,0.65) 2(-1,-0.65) 3(1,0)
  silkscreen extent -0.67,-1.1 0.67,1.1, body extent -1.05,-1 1.05,1, height 1.1
FP-SRF4532-MFG [mm]
  round 0.99 smd paste+0 mask+0: 1(-2.05,-1.25) 2(2.05,-1.25)
  round 0.97 smd paste+0 mask+0: 3(2.05,1.125) 4(-2.05,1.125)
  Top Layer region: -2.6,0.45 -2.6,1.8 -1.5,1.8 -1.5,0.95 -1.9,0.45
  Top Layer region: 1.5,1.8 2.6,1.8 2.6,0.45 1.9,0.45 1.5,0.95
  Top Layer region: 1.5,-1.8 1.5,-0.95 1.9,-0.45 2.6,-0.45 2.6,-1.8
  Top Layer region: -2.6,-1.8 -2.6,-0.45 -1.9,-0.45 -1.5,-0.95 -1.5,-1.8
  silkscreen extent -2.17,-2.47 1.12,1.7, body extent -2.7,-1.9 2.7,1.9, height 0.25
FP-SSOP6-P-0_65A-MFG [mm]
  rect 0.8x0.4 smd paste+0 mask+0: 1(-0.95,0.65) 2(-0.95,0) 3(-0.95,-0.65) 4(0.95,-0.65) 5(0.95,0) 6(0.95,0.65)
  silkscreen extent -2.05,-1.1 0.18,1.1, body extent -1.05,-1 1.05,1, height 1
FP-TSOT26-MFG [mm]
  rect 1x0.7 smd paste+0 mask+0: 1(-1.099,0.95) 2(-1.099,0) 3(-1.099,-0.95) 4(1.099,-0.95) 5(1.099,0) 6(1.099,0.95)
  silkscreen extent -2.33,-1.5 0.22,1.5, body extent -1.7,-1.6 1.7,1.6, height 0.25
INF-PG-DSO-20-32_L [mm] "SOP, 20-Leads, Body 12.7x7.5mm, Pitch 1.27mm, IPC High Density"
  oval 1.95x0.6 smd: 1(-4.55,5.715) 2(-4.55,4.445) 3(-4.55,3.175) 4(-4.55,1.905) 5(-4.55,0.635) 6(-4.55,-0.635) 7(-4.55,-1.905) 8(-4.55,-3.175) 9(-4.55,-4.445) 10(-4.55,-5.715) 11(4.55,-5.715) 12(4.55,-4.445) 13(4.55,-3.175) 14(4.55,-1.905) 15(4.55,-0.635) 16(4.55,0.635) 17(4.55,1.905) 18(4.55,3.175) 19(4.55,4.445) 20(4.55,5.715)
  silkscreen extent -4.67,-6.4 3.18,6.69, body extent -3.8,-6.4 3.8,6.4, height 2.65
MTC16_L [mm] "TSOP, 16-Leads, Body 5x4.4mm, Pitch 0.65mm, IPC High Density"
  oval 1.4x0.35 smd: 1(-2.8,2.275) 2(-2.8,1.625) 3(-2.8,0.975) 4(-2.8,0.325) 5(-2.8,-0.325) 6(-2.8,-0.975) 7(-2.8,-1.625) 8(-2.8,-2.275) 9(2.8,-2.275) 10(2.8,-1.625) 11(2.8,-0.975) 12(2.8,-0.325) 13(2.8,0.325) 14(2.8,0.975) 15(2.8,1.625) 16(2.8,2.275)
  silkscreen extent -2.92,-2.55 1.7,3.12, body extent -2.25,-2.55 2.25,2.55, height 1.1
ONSC-SOD-123-2-425-04_V [mm] "SOD, 2-Leads, Body 2.69x1.6mm"
  rect 0.91x1.22 smd: 1(-1.635,0) 2(1.635,0)
  silkscreen extent -1.76,-0.8 0.78,1.28, body extent -1.35,-0.8 1.35,0.8, height 1.35
RESC1005X40X25NL05T05 [mm] "Chip Resistor, 2-Leads, Body 1.00x0.50mm, IPC Medium Density"
  rect 0.55x0.55 smd: 1(-0.45,0) 2(0.45,0)
  body extent -0.53,-0.27 0.53,0.28, height 0.4
RESC1608X55X30LL15T15#1 [mm] "Chip Resistor, 2-Leads, Body 1.60x0.80mm, IPC High Density"
  rect 0.7x0.85 smd: 1(-0.625,0) 2(0.625,0)
  body extent -0.87,-0.48 0.87,0.48, height 0.55
RESC1608X55X30LL15T15#2 [mm] "Chip Resistor, 2-Leads, Body 1.75x0.95mm, IPC High Density"
  rect 0.75x0.85 smd: 1(-0.65,0) 2(0.65,0)
  body extent -0.87,-0.48 0.87,0.48, height 0.55
RESC1608X55X30NL15T15 [mm] "Chip Resistor, 2-Leads, Body 1.60x0.80mm, IPC Medium Density"
  rect 0.8x0.95 smd: 1(-0.675,0) 2(0.675,0)
  body extent -0.87,-0.48 0.87,0.48, height 0.55
RESC1608X90X30ML15T20 [mm] "Chip Resistor, 2-Leads, Body 1.60x0.80mm, IPC Low Density"
  rect 0.95x1.05 smd: 1(-0.7,0) 2(0.7,0)
  body extent -0.88,-0.48 0.87,0.48, height 0.9
RESC1609X55X30LL15T15 [mm] "Chip Resistor, 2-Leads, Body 1.75x0.95mm, IPC High Density"
  rect 0.75x0.85 smd: 1(-0.65,0) 2(0.65,0)
  body extent -0.87,-0.48 0.87,0.48, height 0.55
RESC1609X55X30ML15T15 [mm] "Chip Resistor, 2-Leads, Body 1.75x0.95mm, IPC Low Density"
  rect 1.15x1.05 smd: 1(-0.85,0) 2(0.85,0)
  body extent -0.87,-0.48 0.87,0.48, height 0.55
SISH615ADN-T1-GE3-Footprint-1 [mm]
  rect 0.35x0.5 smd paste+0 mask+0: 1(-0.937,-1.4) 2(-0.288,-1.4) 3(0.363,-1.4) 4(1.012,-1.4)
  round 0.025 smd: 5-6-7-8(0.038,0.51)
  Top Layer region: -1.187,-0.63 -1.187,-0.215 -1.568,-0.215 -1.568,0.215 -1.187,0.215 -1.187,1.35 -1.137,1.35 -1.137,1.65 -0.737,1.65 -0.737,1.35 -0.487,1.35 -0.487,1.65 -0.088,1.65 -0.088,1.35 0.163,1.35 0.163,1.65 0.563,1.65 0.563,1.35 0.813,1.35 0.813,1.65 1.212,1.65 1.212,1.35 1.262,1.35 1.262,0.215 1.643,0.215 1.643,-0.215 1.262,-0.215 1.262,-0.63
  silkscreen extent -1.51,-2.37 1.59,-1.01, body extent -1.67,-1.75 1.74,1.75, height 0.25
TCAN1146DYYRQ1-Footprint-1 [mil]
  rect 38.5x12 smd paste+0 mask+0: 1(-60.75,59.07) 2(-60.75,39.38) 3(-60.75,19.69) 4(-60.75,0) 5(-60.75,-19.69) 6(-60.75,-39.38) 7(-60.75,-59.07) 8(60.75,-59.07) 9(60.75,-39.38) 10(60.75,-19.69) 11(60.75,0) 12(60.75,19.69) 13(60.75,39.38) 14(60.75,59.07)
  silkscreen extent -47,-90 100,90, body extent -66,-84 66,84, height 43
WL-SBCD_0606 [mm] "SMT Bi-color Chip LED Diffuesed, body 1.5x1.6mm"
  rect 0.5x0.8 smd: 1(-0.45,0.8) 2(-0.45,-0.8) 3(0.45,-0.8) 4(0.45,0.8)
  silkscreen extent -0.07,1.47 0.07,1.62, body extent -0.75,-0.8 0.75,0.8, height 0.55